# KiCad board mainboard.kicad_pcb (continued)
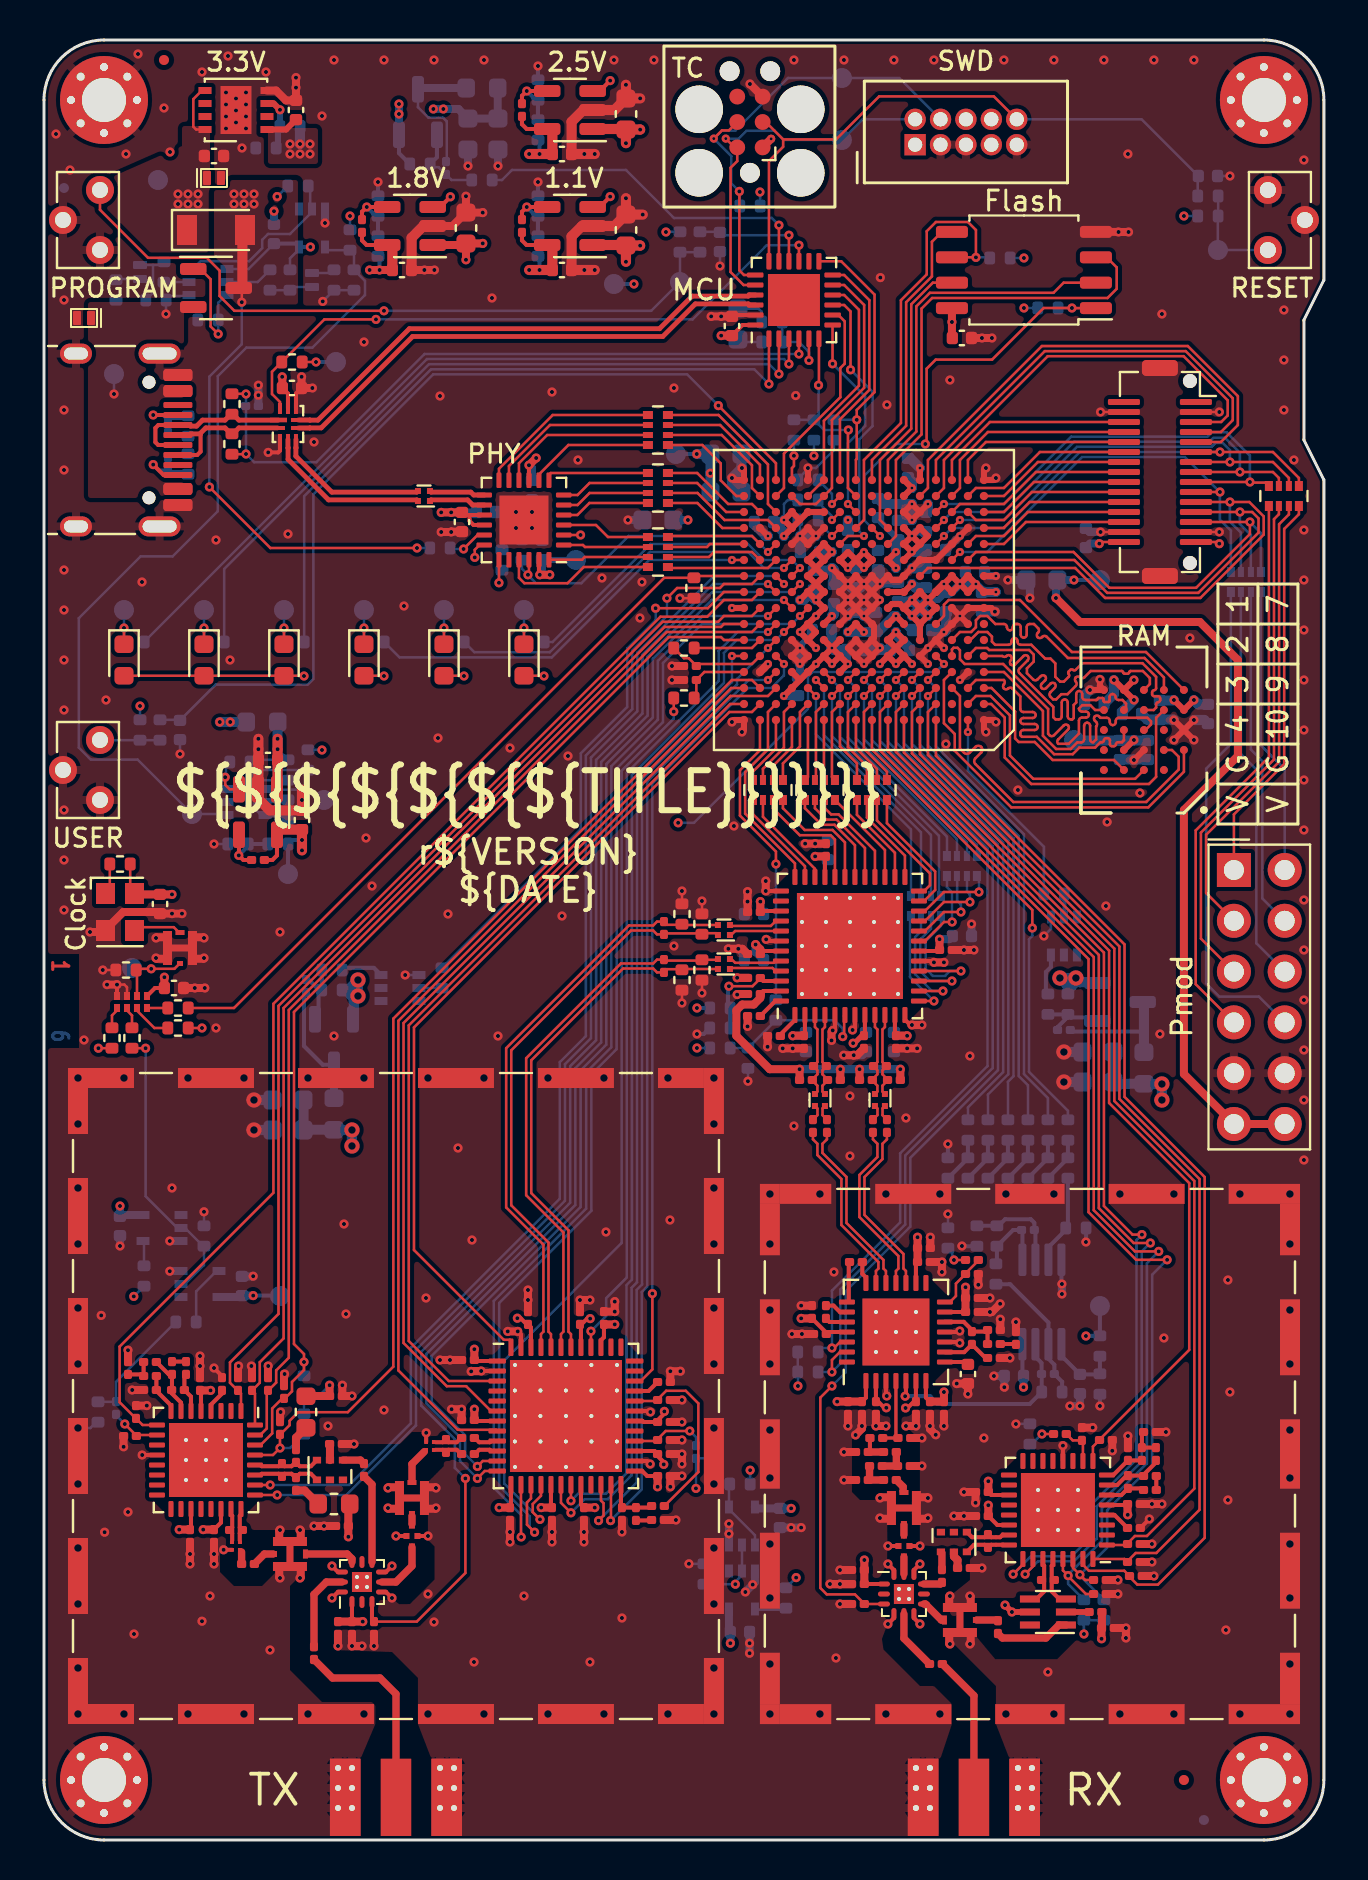
[diagram p0: board, top side]
## Footprints (pads in the part's own frame, mm; a bottom-side part is the same pattern mirrored in y, then rotated) (continued)
QFN-32-1EP_5x5mm_P0.5mm_EP3.7x3.7mm_ThermalVias
  custom 0.685x0.685 smd: (-1.425,1.425) (-1.425,-1.425) (1.425,1.425) (1.425,-1.425)
  custom 0.685x0.806 smd: (-1.425,0.5) (-1.425,-0.5) (1.425,0.5) (1.425,-0.5)
  custom 0.806x0.685 smd: (-0.5,1.425) (-0.5,-1.425) (0.5,1.425) (0.5,-1.425)
  rrect 0.806x0.806 smd: (-0.5,0.5) (-0.5,-0.5) (0.5,0.5) (0.5,-0.5)
  rrect 0.8x0.25 smd: 1(-2.45,1.75) 2(-2.45,1.25) 3(-2.45,0.75) 4(-2.45,0.25) 5(-2.45,-0.25) 6(-2.45,-0.75) 7(-2.45,-1.25) 8(-2.45,-1.75) 17(2.45,-1.75) 18(2.45,-1.25) 19(2.45,-0.75) 20(2.45,-0.25) 21(2.45,0.25) 22(2.45,0.75) 23(2.45,1.25) 24(2.45,1.75)
  rrect 0.25x0.8 smd: 9(-1.75,-2.45) 10(-1.25,-2.45) 11(-0.75,-2.45) 12(-0.25,-2.45) 13(0.25,-2.45) 14(0.75,-2.45) 15(1.25,-2.45) 16(1.75,-2.45) 25(1.75,2.45) 26(1.25,2.45) 27(0.75,2.45) 28(0.25,2.45) 29(-0.25,2.45) 30(-0.75,2.45) 31(-1.25,2.45) 32(-1.75,2.45)
  round 0.5 hole 0.2: 33(-1,1) 33(-1,0) 33(-1,-1) 33(0,1) 33(0,0) 33(0,-1) 33(1,1) 33(1,0) 33(1,-1)
  rect 2.5x2.5 smd far side: 33(0,0)
  rect 3.7x3.7 smd: 33(0,0)
QFN-48-1EP_7x7mm_P0.5mm_EP5.3x5.3mm_ThermalVias
  rrect 1.026x1.026 smd: (-1.8,1.8) (-1.8,0.6) (-1.8,-0.6) (-1.8,-1.8) (-0.6,1.8) (-0.6,0.6) (-0.6,-0.6) (-0.6,-1.8) (0.6,1.8) (0.6,0.6) (0.6,-0.6) (0.6,-1.8) (1.8,1.8) (1.8,0.6) (1.8,-0.6) (1.8,-1.8)
  rrect 0.8x0.25 smd: 1(-3.45,2.75) 2(-3.45,2.25) 3(-3.45,1.75) 4(-3.45,1.25) 5(-3.45,0.75) 6(-3.45,0.25) 7(-3.45,-0.25) 8(-3.45,-0.75) 9(-3.45,-1.25) 10(-3.45,-1.75) 11(-3.45,-2.25) 12(-3.45,-2.75) 25(3.45,-2.75) 26(3.45,-2.25) 27(3.45,-1.75) 28(3.45,-1.25) 29(3.45,-0.75) 30(3.45,-0.25) 31(3.45,0.25) 32(3.45,0.75) 33(3.45,1.25) 34(3.45,1.75) 35(3.45,2.25) 36(3.45,2.75)
  rrect 0.25x0.8 smd: 13(-2.75,-3.45) 14(-2.25,-3.45) 15(-1.75,-3.45) 16(-1.25,-3.45) 17(-0.75,-3.45) 18(-0.25,-3.45) 19(0.25,-3.45) 20(0.75,-3.45) 21(1.25,-3.45) 22(1.75,-3.45) 23(2.25,-3.45) 24(2.75,-3.45) 37(2.75,3.45) 38(2.25,3.45) 39(1.75,3.45) 40(1.25,3.45) 41(0.75,3.45) 42(0.25,3.45) 43(-0.25,3.45) 44(-0.75,3.45) 45(-1.25,3.45) 46(-1.75,3.45) 47(-2.25,3.45) 48(-2.75,3.45)
  round 0.5 hole 0.2: 49(-2.4,2.4) 49(-2.4,1.2) 49(-2.4,0) 49(-2.4,-1.2) 49(-2.4,-2.4) 49(-1.2,2.4) 49(-1.2,1.2) 49(-1.2,0) 49(-1.2,-1.2) 49(-1.2,-2.4) 49(0,2.4) 49(0,1.2) 49(0,0) 49(0,-1.2) 49(0,-2.4) 49(1.2,2.4) 49(1.2,1.2) 49(1.2,0) 49(1.2,-1.2) 49(1.2,-2.4) 49(2.4,2.4) 49(2.4,1.2) 49(2.4,0) 49(2.4,-1.2) 49(2.4,-2.4)
  rect 5.3x5.3 smd: 49(0,0)
  rect 5.3x5.3 smd far side: 49(0,0)
QFN-48-1EP_7x7mm_P0.5mm_EP5.6x5.6mm_ThermalVias
  rrect 1.084x1.084 smd: (-1.913,1.913) (-1.913,0.637) (-1.913,-0.637) (-1.913,-1.913) (-0.637,1.913) (-0.637,0.637) (-0.637,-0.637) (-0.637,-1.913) (0.637,1.913) (0.637,0.637) (0.637,-0.637) (0.637,-1.913) (1.913,1.913) (1.913,0.637) (1.913,-0.637) (1.913,-1.913)
  rrect 0.875x0.25 smd: 1(-3.438,2.75) 2(-3.438,2.25) 3(-3.438,1.75) 4(-3.438,1.25) 5(-3.438,0.75) 6(-3.438,0.25) 7(-3.438,-0.25) 8(-3.438,-0.75) 9(-3.438,-1.25) 10(-3.438,-1.75) 11(-3.438,-2.25) 12(-3.438,-2.75) 25(3.438,-2.75) 26(3.438,-2.25) 27(3.438,-1.75) 28(3.438,-1.25) 29(3.438,-0.75) 30(3.438,-0.25) 31(3.438,0.25) 32(3.438,0.75) 33(3.438,1.25) 34(3.438,1.75) 35(3.438,2.25) 36(3.438,2.75)
  rrect 0.25x0.875 smd: 13(-2.75,-3.438) 14(-2.25,-3.438) 15(-1.75,-3.438) 16(-1.25,-3.438) 17(-0.75,-3.438) 18(-0.25,-3.438) 19(0.25,-3.438) 20(0.75,-3.438) 21(1.25,-3.438) 22(1.75,-3.438) 23(2.25,-3.438) 24(2.75,-3.438) 37(2.75,3.438) 38(2.25,3.438) 39(1.75,3.438) 40(1.25,3.438) 41(0.75,3.438) 42(0.25,3.438) 43(-0.25,3.438) 44(-0.75,3.438) 45(-1.25,3.438) 46(-1.75,3.438) 47(-2.25,3.438) 48(-2.75,3.438)
  round 0.5 hole 0.2: 49(-2.55,2.55) 49(-2.55,1.275) 49(-2.55,0) 49(-2.55,-1.275) 49(-2.55,-2.55) 49(-1.275,2.55) 49(-1.275,1.275) 49(-1.275,0) 49(-1.275,-1.275) 49(-1.275,-2.55) 49(0,2.55) 49(0,1.275) 49(0,0) 49(0,-1.275) 49(0,-2.55) 49(1.275,2.55) 49(1.275,1.275) 49(1.275,0) 49(1.275,-1.275) 49(1.275,-2.55) 49(2.55,2.55) 49(2.55,1.275) 49(2.55,0) 49(2.55,-1.275) 49(2.55,-2.55)
  rect 5.6x5.6 smd: 49(0,0)
  rect 5.6x5.6 smd far side: 49(0,0)
R_0201_0603Metric
  rrect 0.318x0.36 smd: (-0.345,0) (0.345,0)
  rrect 0.46x0.4 smd: 1(-0.32,0) 2(0.32,0)
R_0402_1005Metric
  rrect 0.54x0.64 smd: 1(-0.51,0) 2(0.51,0)
R_Array_Convex_4x0402
  rect 0.5x0.4 smd: 1(-0.5,0.75) 4(-0.5,-0.75) 5(0.5,-0.75) 8(0.5,0.75)
  rect 0.5x0.3 smd: 2(-0.5,0.25) 3(-0.5,-0.25) 6(0.5,-0.25) 7(0.5,0.25)
SOIC-8_5.23x5.23mm_P1.27mm
  rrect 1.6x0.6 smd: 1(-3.6,1.905) 2(-3.6,0.635) 3(-3.6,-0.635) 4(-3.6,-1.905) 5(3.6,-1.905) 6(3.6,-0.635) 7(3.6,0.635) 8(3.6,1.905)
SOT-23-3
  rrect 1.325x0.6 smd: 1(-1.137,0.95) 2(-1.137,-0.95) 3(1.137,0)
SOT-23-5
  rrect 1.325x0.6 smd: 1(-1.137,0.95) 2(-1.137,0) 3(-1.137,-0.95) 4(1.137,-0.95) 5(1.137,0.95)
SOT-353_SC-70-5
  rect 0.65x0.4 smd: 1(-0.95,0.65) 2(-0.95,0) 3(-0.95,-0.65) 4(0.95,-0.65) 5(0.95,0.65)
SOT-363_SC-70-6
  rect 0.65x0.4 smd: 1(-0.95,0.65) 2(-0.95,0) 3(-0.95,-0.65) 4(0.95,-0.65) 5(0.95,0) 6(0.95,0.65)
SW_Tactile_SPST_Angled_TC-1109DE-B-F
  round 1.4 hole 0.8: 1(0,0) 2(-3,0) 3(-1.5,1.85)
SWD_CONNECTOR_LARGE_BOX
  rect 1.067x1.067 hole 0.711: 1(-2.54,-0.635)
  round 1.067 hole 0.711: 2(-2.54,0.635) 3(-1.27,-0.635) 4(-1.27,0.635) 5(0,-0.635) 6(0,0.635) 7(1.27,-0.635) 8(1.27,0.635) 9(2.54,-0.635) 10(2.54,0.635)
Tag-Connect_TC2030-IDC-FP_2x03_P1.27mm_Vertical
  round 2.375 hole 2.375 unplated: (-2.54,2.54) (-2.54,-2.54) (0.635,2.54) (0.635,-2.54)
  round 0.991 hole 0.991 unplated: (-2.54,0) (2.54,1.016) (2.54,-1.016)
  round 0.787 smd: 1(-1.27,-0.635) 2(-1.27,0.635) 3(0,-0.635) 4(0,0.635) 5(1.27,-0.635) 6(1.27,0.635)
TestPoint_Pad_D1.0mm
  round 1 smd: 1(0,0)
USB_C_Receptacle_HRO_TYPE-C-31-M-12
  round 0.65 hole 0.65 unplated: (-2.89,2.6) (2.89,2.6)
  rrect 0.6x1.45 smd: A1(-3.25,4.045) A4(-2.45,4.045) A9(2.45,4.045) A12(3.25,4.045) B1(3.25,4.045) B4(2.45,4.045) B9(-2.45,4.045) B12(-3.25,4.045)
  rrect 0.3x1.45 smd: A5(-1.25,4.045) A6(-0.25,4.045) A7(0.25,4.045) A8(1.25,4.045) B5(1.75,4.045) B6(0.75,4.045) B7(-0.75,4.045) B8(-1.75,4.045)
  oval 1x2.1 hole 0.6x1.7: S1(-4.32,3.13) S1(4.32,3.13)
  oval 1x1.6 hole 0.6x1.2: S1(-4.32,-1.05) S1(4.32,-1.05)
VQFN-24-1EP_4x4mm_P0.5mm_EP2.45x2.45mm
  rrect 0.66x0.66 smd: (-0.82,0.82) (-0.82,0) (-0.82,-0.82) (0,0.82) (0,0) (0,-0.82) (0.82,0.82) (0.82,0) (0.82,-0.82)
  rrect 0.775x0.25 smd: 1(-1.988,1.25) 2(-1.988,0.75) 3(-1.988,0.25) 4(-1.988,-0.25) 5(-1.988,-0.75) 6(-1.988,-1.25) 13(1.988,-1.25) 14(1.988,-0.75) 15(1.988,-0.25) 16(1.988,0.25) 17(1.988,0.75) 18(1.988,1.25)
  rrect 0.25x0.775 smd: 7(-1.25,-1.988) 8(-0.75,-1.988) 9(-0.25,-1.988) 10(0.25,-1.988) 11(0.75,-1.988) 12(1.25,-1.988) 19(1.25,1.988) 20(0.75,1.988) 21(0.25,1.988) 22(-0.25,1.988) 23(-0.75,1.988) 24(-1.25,1.988)
  rect 2.45x2.45 smd: 25(0,0)

## Nets
3V3A: C66.1 C67.1 C69.1 C70.1 C73.1 C74.1 C75.1 C76.1 C77.1 C78.1 C79.1 C80.1 C185.1 C192.1 Q3.2 Q5.2 R12.1 R54.1 R98.1 R109.1 TP21.1 U11.2 U11.8 U11.11 U11.33 U11.39 U11.43 U24.5
3V3FPGA: C19.1 C20.1 C21.1 C22.1 C23.1 C25.1 C26.1 C28.1 C29.1 C30.1 C33.1 C37.2 C38.1 C48.1 C50.1 C51.1 C52.1 C55.1 C56.1 C158.1 C159.1 C198.1 C199.1 D4.2 D5.2 D6.2 FB4.2 J4.6 J4.12 J6.15 J6.16 Q2.4 R18.1 R22.1 R37.1 R38.1 R40.2 R43.1 R92.1 R97.1 TP6.1 U1.E6 U1.E7 U1.F6 U1.F7 U1.F12 U1.G12 U1.H11 U1.J6 U1.J7 U1.J11 U1.J12 U1.K11 U1.K12 U1.L6 U1.L11 U1.L12 U1.M5 U1.M6 U1.M11 U1.N5 U1.N6 U1.N13 U1.P11 U1.P12 U1.P13 U1.R6 U1.T6 U5.1 U5.3 U6.1 U6.3 U7.1 U7.3 U9.2 U9.9 U9.15 U9.16 U9.18 U10.8 U19.5 U21.1 Y1.4
3V3RX: C93.2 C104.1 C112.1 C130.2 C156.1 C157.1 C160.1 C161.1 C166.1 C167.1 C168.1 C169.1 C170.1 C171.1 C172.1 C173.1 C174.1 C175.1 C186.2 C188.2 C190.2 C194.1 C195.1 FB2.2 L8.1 R60.2 R61.2 R77.2 R80.1 R81.1 TP13.1 U14.1 U14.2 U14.6 U14.7 U14.13 U14.16 U14.25 U15.8 U16.1 U18.5 U18.19 U18.22 U20.5 U23.5
3V3TX: C62.1 C63.1 C114.2 C115.1 C134.2 C135.2 C151.1 C152.1 C176.2 C177.2 C178.2 C179.2 C180.2 C181.2 C182.2 C183.2 C184.2 C187.2 C189.2 C191.2 C193.1 C196.1 FB1.2 L12.1 L14.1 R86.1 R87.1 TP22.1 U12.1 U12.7 U12.13 U12.17 U12.20 U12.25 U12.27 U12.30 U12.39 U12.41 U12.46 U13.5 U13.19 U13.22 U17.1 U22.5 U25.5
+1V1: C8.1 C9.1 C10.1 C11.1 C12.1 C13.1 C14.1 C15.1 C35.1 C59.1 R124.1 TP9.1 U1.G6 U1.G7 U1.G9 U1.L8 U1.L9 U1.L10 U5.5
+1V8: C24.1 C27.1 C31.1 C32.1 C40.1 C41.1 C42.1 C43.1 C44.1 C45.1 C46.1 C47.1 C58.1 C81.1 C82.1 C200.1 C201.1 R122.1 TP11.1 U1.C13 U1.D10 U1.D12 U1.D13 U1.E10 U1.E11 U1.F5 U1.F10 U1.F11 U1.G5 U1.H4 U1.H5 U1.H6 U1.H7 U1.J1 U1.J2 U1.J3 U1.J4 U1.J5 U1.K2 U1.K3 U7.5 U8.B4 U8.D1 U8.E4 U11.18
+2V5: C16.1 C17.1 C18.1 C39.1 C57.1 R120.1 TP10.1 U1.G11 U1.L7 U6.5
+3V3: C2.1 C3.1 C4.1 C34.1 D1.2 D2.2 D3.2 J2.1 J3.1 Q8.2 R1.1 R3.1 R5.1 R6.1 R16.1 R32.1 R114.1 TP8.1 U2.24 U3.9 U4.1
+5V: C36.1 D8.1 D9.1 FB3.2 TP5.1 U4.5 U4.8
/Analog Power Supplies/3V3A_EN: R126.2 U1.E4
/Analog Power Supplies/3V3RX_EN: R101.2 U1.A2
/Analog Power Supplies/3V3TX_EN: R99.2 U1.J16
/USB/VBUS_SENSE: R19.2 U9.17
/USB/VDD18: C49.1 TP12.1 U9.23
GND: C1.2 C2.2 C3.2 C4.2 C5.2 C6.2 C7.2 C8.2 C9.2 C10.2 C11.2 C12.2 C13.2 C14.2 C15.2 C16.2 C17.2 C18.2 C19.2 C20.2 C21.2 C22.2 C23.2 C24.2 C25.2 C26.2 C27.2 C28.2 C29.2 C30.2 C31.2 C32.2 C33.2 C34.2 C35.2 C36.2 C37.1 C38.2 C39.2 C40.2 C41.2 C42.2 C43.2 C44.2 C45.2 C46.2 C47.2 C48.2 C49.2 C50.2 C51.2 C52.2 C53.2 C54.2 C55.2 C56.2 C62.2 C63.2 C66.2 C67.2 C68.1 C69.2 C70.2 C71.2 C72.2 C73.2 C74.2 C75.2 C76.2 C77.2 C78.2 C79.2 C80.2 C81.2 C82.2 C83.2 C87.2 C88.1 C89.1 C90.1 C93.1 C95.2 C96.2 C97.1 C98.1 C99.1 C104.2 C106.2 C112.2 C113.1 C114.1 C115.2 C116.2 C117.2 C118.2 C119.2 C120.2 C121.2 C122.2 C123.2 C125.2 C128.1 C130.1 C133.1 C134.1 C135.1 C136.2 C137.2 C138.2 C139.2 C140.2 C141.2 C142.2 C143.2 C145.2 C149.1 C151.2 C152.2 C156.2 C157.2 C158.2 C159.2 C160.2 C161.2 C162.2 C163.2 C164.2 C165.2 C166.2 C167.2 C168.2 C169.2 C170.2 C171.2 C172.2 C173.2 C174.2 C175.2 C176.1 C177.1 C178.1 C179.1 C180.1 C181.1 C182.1 C183.1 C184.1 C186.1 C187.1 C188.1 C189.1 C190.1 C191.1 C192.2 C193.2 C194.2 C195.2 C196.2 C198.2 C199.2 C200.2 C201.2 D7.2 D9.2 FL2.2 FL2.4 FL3.2 FL3.4 H1.1 H2.1 H3.1 H4.1 J1.A1 J1.A12 J1.B1 J1.B12 J1.S1 J2.3 J2.5 J2.9 J3.5 J4.5 J4.11 J5.3 J6.2 J6.14 J6.17 J6.29 J6.MP J7.2 J8.2 J9.3 J10.3 J11.3 J12.3 J13.1 J14.1 L2.2 L3.2 L4.2 L5.2 Q4.1 Q6.4 Q7.1 R2.2 R9.1 R10.1 R14.2 R15.2 R17.2 R20.1 R21.2 R31.2 R39.2 R41.2 R42.2 R47.2 R50.2 R51.2 R52.2 R53.2 R55.2 R73.2 R74.1 R78.2 R82.2 R88.2 R93.2 R95.2 R96.1 R115.2 R117.2 R121.2 R123.2 R125.2 R127.2 R130.2 R131.2 R132.2 R133.2 R134.2 R135.2 SW1.2 SW1.3 SW2.2 SW2.3 SW3.2 SW3.3 T2.5 T3.1 T4.1 TP7.1 U1.A1 U1.A16 U1.D2 U1.D15 U1.E5 U1.E8 U1.E9 U1.E12 U1.E13 U1.F4 U1.F8 U1.F9 U1.F13 U1.G2 U1.G3 U1.G8 U1.G10 U1.H1 U1.H2 U1.H3 U1.H8 U1.H9 U1.H10 U1.H16 U1.J8 U1.J9 U1.J10 U1.K1 U1.K6 U1.K7 U1.K8 U1.K9 U1.K10 U1.L4 U1.L5 U1.M3 U1.M12 U1.M13 U1.N2 U1.N11 U1.N12 U1.N15 U1.P5 U1.P6 U1.T1 U1.T5 U1.T12 U1.T16 U2.23 U3.3 U3.8 U4.4 U4.9 U5.2 U6.2 U7.2 U8.B3 U8.C1 U8.E5 U9.25 U10.4 U11.5 U11.7 U11.12 U11.17 U11.37 U11.42 U11.49 U12.2 U12.26 U12.31 U12.47 U12.49 U13.12 U13.33 U14.3 U14.10 U14.11 U14.29 U15.4 U16.4 U16.6 U16.10 U16.12 U16.13 U17.4 U17.6 U17.10 U17.12 U17.13 U18.12 U18.33 U19.3 U20.3 U21.3 U21.4 U22.3 U23.3 U24.2 U25.3 Y1.2
VBUS: D7.1 J1.A4 J1.A9 J1.B4 J1.B9 Q1.2 Q2.1 R11.1 TP4.1
VBUS_SAFE: D8.2 Q1.3 R19.1
/Analog Power Supplies/~{POWER_GOOD}: Q6.1 R96.2 R97.2 TP35.1 U19.4
/Clock and Miscellaneous/AFE_CLK: R30.1 R103.2
/Clock and Miscellaneous/FPGA_CLK: R45.2 R131.1 U1.K16
/Clock and Miscellaneous/RX_CLK: R104.2 R130.1 U20.2 U23.2
/Clock and Miscellaneous/RX_MIX_CLK: C124.2 R106.2 R133.1
/Clock and Miscellaneous/RX_RCVR_CLK: C94.2 R36.1 R132.1
/Clock and Miscellaneous/TX_CLK: R105.2 R127.1 U22.2 U25.2
/Clock and Miscellaneous/TX_MIX_CLK: C144.2 R35.2 R134.1
/Clock and Miscellaneous/TX_XCVR_CLK: C86.1 R34.2 R135.1
/Debugger/FPGA_ADV: U1.R14 U2.8
/Debugger/FPGA_CONFIG.DONE: U1.P9 U2.7
/Debugger/FPGA_CONFIG.~{INIT}: R42.1 U1.T9 U2.13
/Debugger/FPGA_CONFIG.~{PROGRAM}: R43.2 R44.1 U1.R9 U2.6
/Debugger/FPGA_JTAG.TCK: U1.T10 U2.12
/Debugger/FPGA_JTAG.TDI: U1.R11 U1.R13 U2.11
/Debugger/FPGA_JTAG.TDO: U1.M10 U2.9
/Debugger/FPGA_JTAG.TMS: U1.R12 U1.T11 U2.10
/Debugger/LED1: R24.2 U2.3
/Debugger/LED2: R25.2 U2.2
/Debugger/LED3: R26.2 U2.1
/Debugger/MCU_D+: U2.22 U3.6
/Debugger/MCU_D-: U2.21 U3.7
/Debugger/MCU_SWCLK: J2.4 J3.4 R5.2 TP2.1 U2.19
/Debugger/MCU_SWDIO: J2.2 J3.2 TP3.1 U2.20
/Debugger/USB_RESET_DETECT: C5.1 R7.2 R8.1 U2.4
/Debugger/USB_SWITCH: R6.2 U2.15 U3.10
/Debugger/VERSION: R1.2 R2.1 U2.5
/Debugger/~{3V3FPGA_EN}: R116.2 U2.17
/Debugger/~{BTN_PROGRAM}: C54.1 R33.1 U2.16
/Debugger/~{BTN_RESET}: C1.1 J2.10 J3.3 R4.2 U2.18
/Expansion Interfaces/MEZZANINE3: J6.3 U1.R4
/Expansion Interfaces/MEZZANINE4: J6.4 U1.T4
/Expansion Interfaces/MEZZANINE5: J6.5 U1.R5
/Expansion Interfaces/MEZZANINE6: J6.6 RN4.1 U1.M4
/Expansion Interfaces/MEZZANINE7: J6.7 RN4.2 U1.N3
/Expansion Interfaces/MEZZANINE8: J6.8 RN4.3 U1.N4
/Expansion Interfaces/MEZZANINE9: J6.9 RN4.4 U1.P4
/Expansion Interfaces/MEZZANINE10: J6.10 RN5.1 U1.L3
/Expansion Interfaces/MEZZANINE11: J6.11 RN5.2 U1.K5
/Expansion Interfaces/MEZZANINE12: J6.12 RN5.3 U1.L1
/Expansion Interfaces/MEZZANINE13: J6.13 RN5.4 U1.L2
/Expansion Interfaces/MEZZANINE18: J6.18 U1.M1
/Expansion Interfaces/MEZZANINE19: J6.19 U1.M2
/Expansion Interfaces/MEZZANINE20: J6.20 U1.N1
/Expansion Interfaces/MEZZANINE21: J6.21 U1.P2
/Expansion Interfaces/MEZZANINE22: J6.22 U1.P1
/Expansion Interfaces/MEZZANINE23: J6.23 U1.P3
/Expansion Interfaces/MEZZANINE24: J6.24 U1.R1
/Expansion Interfaces/MEZZANINE25: J6.25 U1.R2
/Expansion Interfaces/MEZZANINE26: J6.26 U1.T2
/Expansion Interfaces/MEZZANINE27: J6.27 U1.R3
/Expansion Interfaces/MEZZANINE28: J6.28 U1.T3
/Expansion Interfaces/PMOD1: J4.1 RN4.8
/Expansion Interfaces/PMOD2: J4.2 RN4.7
/Expansion Interfaces/PMOD3: J4.3 RN4.6
/Expansion Interfaces/PMOD4: J4.4 RN4.5
/Expansion Interfaces/PMOD7: J4.7 RN5.5
/Expansion Interfaces/PMOD8: J4.8 RN5.6
/Expansion Interfaces/PMOD9: J4.9 RN5.7
/Expansion Interfaces/PMOD10: J4.10 RN5.8
/FPGA Bank 8 and Configuration Flash/D0: U1.T8 U10.5
/FPGA Bank 8 and Configuration Flash/D1: U1.T7 U10.2
/FPGA Bank 8 and Configuration Flash/D2: U1.M7 U10.3
/FPGA Bank 8 and Configuration Flash/D3: U1.N7 U10.7
/FPGA Bank 8 and Configuration Flash/FLASH_CLK: R37.2 U1.N9 U10.6
/FPGA Bank 8 and Configuration Flash/FPGA_CFG0: R39.1 U1.N10
/FPGA Bank 8 and Configuration Flash/FPGA_CFG1: R40.1 U1.P10
/FPGA Bank 8 and Configuration Flash/FPGA_CFG2: R41.1 U1.R10
/FPGA Bank 8 and Configuration Flash/~{CS_DI}: R38.2 U1.N8 U10.1
/FPGA Bank 8 and Configuration Flash/~{FPGA_SELF_PROGRAM}: R44.2 U1.T13
/FPGA Banks 0 and 1/AFE_ALT_CLK: R119.2 U1.A15
/FPGA Banks 0 and 1/AFE_SPI.PICO: RN10.3 U1.B13
/FPGA Banks 0 and 1/AFE_SPI.SCK: RN10.4 U1.A14
/FPGA Banks 0 and 1/AFE_SPI.~{CS}: U1.B14 U11.36
/FPGA Banks 0 and 1/DA0: RN6.1 U1.C12
/FPGA Banks 0 and 1/DA1: RN6.2 U1.C11
/FPGA Banks 0 and 1/DA2: RN6.3 U1.C10
/FPGA Banks 0 and 1/DA3: RN6.4 U1.D11
/FPGA Banks 0 and 1/DA4: RN7.1 U1.C9
/FPGA Banks 0 and 1/DA5: RN7.2 U1.D9
/FPGA Banks 0 and 1/DA6: RN7.3 U1.C8
/FPGA Banks 0 and 1/DA7: RN7.4 U1.D8
/FPGA Banks 0 and 1/DD0: RN8.1 U1.B8
/FPGA Banks 0 and 1/DD1: RN8.2 U1.A9
/FPGA Banks 0 and 1/DD2: RN8.3 U1.B9
/FPGA Banks 0 and 1/DD3: RN8.4 U1.A10
/FPGA Banks 0 and 1/DD4: RN9.1 U1.B10
/FPGA Banks 0 and 1/DD5: RN9.2 U1.A11
/FPGA Banks 0 and 1/DD6: RN9.3 U1.B11
/FPGA Banks 0 and 1/DD7: RN9.4 U1.A12
/FPGA Banks 0 and 1/DD8: RN10.1 U1.B12
/FPGA Banks 0 and 1/DD9: RN10.2 U1.A13
/FPGA Banks 0 and 1/RX_MIX_CTRL.ENBL: C121.1 U1.A5 U18.1
/FPGA Banks 0 and 1/RX_MIX_CTRL.FM: U1.A6 U18.25
/FPGA Banks 0 and 1/RX_MIX_CTRL.LD: U1.B6 U18.26
/FPGA Banks 0 and 1/RX_MIX_CTRL.MODE: C120.1 U1.B5 U18.9
/FPGA Banks 0 and 1/RX_MIX_CTRL.SCLK: C117.1 U1.A4 U18.31
/FPGA Banks 0 and 1/RX_MIX_CTRL.SDATA: C116.1 U1.B4 U18.32
/FPGA Banks 0 and 1/RX_MIX_CTRL.~{EN}: C118.1 R80.2 U1.B7 U18.30
/FPGA Banks 0 and 1/RX_MIX_CTRL.~{RESET}: C119.1 R81.2 U1.A7 U18.29
/FPGA Banks 0 and 1/RX_RCVR.GAIN0: R46.1 U1.D6
/FPGA Banks 0 and 1/RX_RCVR.GAIN1: R49.1 U1.C5
/FPGA Banks 0 and 1/RX_RCVR.GAIN2: R65.1 U1.D5
/FPGA Banks 0 and 1/RX_RCVR.GAIN3: R67.1 U1.C4
/FPGA Banks 0 and 1/RX_RCVR.GAIN4: R69.1 U1.D4
/FPGA Banks 0 and 1/RX_RCVR.GAIN5: R71.1 U1.A8
/FPGA Banks 0 and 1/RX_RCVR.SCL: R61.1 U1.D7 U14.27
/FPGA Banks 0 and 1/RX_RCVR.SDA: R60.1 U1.C7 U14.26
/FPGA Banks 0 and 1/~{RX_MIX_BYPASS}: C113.2 U1.C6 U16.3
/FPGA Banks 2 and 3/ADC_IN+: C164.1 R110.2 U1.D16
/FPGA Banks 2 and 3/ADC_IN-: C163.1 R111.2 U1.E15
/FPGA Banks 2 and 3/ADC_PWM_OUT: R111.1 U1.F15
/FPGA Banks 2 and 3/LED4: R27.2 U1.L16
/FPGA Banks 2 and 3/LED5: R28.2 U1.L13
/FPGA Banks 2 and 3/LED6: R29.2 U1.K13
/FPGA Banks 2 and 3/PHY.CLK: RN3.1 U1.L14
/FPGA Banks 2 and 3/PHY.DATA0: RN1.1 U1.N16
/FPGA Banks 2 and 3/PHY.DATA1: RN1.2 U1.N14
/FPGA Banks 2 and 3/PHY.DATA2: RN1.3 U1.P16
/FPGA Banks 2 and 3/PHY.DATA3: RN1.4 U1.P15
/FPGA Banks 2 and 3/PHY.DATA4: RN2.1 U1.R16
/FPGA Banks 2 and 3/PHY.DATA5: RN2.2 U1.R15
/FPGA Banks 2 and 3/PHY.DATA6: RN2.3 U1.T15
/FPGA Banks 2 and 3/PHY.DATA7: RN2.4 U1.P14
/FPGA Banks 2 and 3/PHY.DIR: RN3.3 U1.M16
/FPGA Banks 2 and 3/PHY.NXT: RN3.4 U1.M15
/FPGA Banks 2 and 3/PHY.STP: RN3.2 U1.L15
/FPGA Banks 2 and 3/PHY.~{RESET}: R21.1 U1.M14 U9.22
/FPGA Banks 2 and 3/TX_MIX_CTRL.ENBL: C141.1 U1.H15 U13.1
/FPGA Banks 2 and 3/TX_MIX_CTRL.FM: U1.K14 U13.25
/FPGA Banks 2 and 3/TX_MIX_CTRL.LD: U1.K15 U13.26
/FPGA Banks 2 and 3/TX_MIX_CTRL.MODE: C140.1 U1.J15 U13.9
/FPGA Banks 2 and 3/TX_MIX_CTRL.SCLK: C137.1 U1.G15 U13.31
/FPGA Banks 2 and 3/TX_MIX_CTRL.SDATA: C136.1 U1.G16 U13.32
/FPGA Banks 2 and 3/TX_MIX_CTRL.~{EN}: C138.1 R86.2 U1.F16 U13.30
/FPGA Banks 2 and 3/TX_MIX_CTRL.~{RESET}: C139.1 R87.2 U1.C15 U13.29
/FPGA Banks 2 and 3/TX_XCVR.B1: U1.D14 U12.23
/FPGA Banks 2 and 3/TX_XCVR.B2: U1.H13 U12.11
/FPGA Banks 2 and 3/TX_XCVR.B3: U1.C16 U12.8
/FPGA Banks 2 and 3/TX_XCVR.B4: U1.E14 U12.34
/FPGA Banks 2 and 3/TX_XCVR.B5: U1.H14 U12.14
/FPGA Banks 2 and 3/TX_XCVR.B6: U1.B16 U12.3
/FPGA Banks 2 and 3/TX_XCVR.B7: U1.C14 U12.6
/FPGA Banks 2 and 3/TX_XCVR.DIN: U1.G13 U12.19
/FPGA Banks 2 and 3/TX_XCVR.LD: U1.F14 U12.22
/FPGA Banks 2 and 3/TX_XCVR.RSSI: R110.1 U12.16
/FPGA Banks 2 and 3/TX_XCVR.RXHP: U1.G14 U12.40
/FPGA Banks 2 and 3/TX_XCVR.RXTX: U1.B15 U12.48
/FPGA Banks 2 and 3/TX_XCVR.SCLK: U1.E16 U12.18
/FPGA Banks 2 and 3/TX_XCVR.~{CS}: U1.H12 U12.15
/FPGA Banks 2 and 3/TX_XCVR.~{SHDN}: U1.J13 U12.12
/FPGA Banks 2 and 3/~{BTN_USER}: C53.1 R23.1 U1.T14
/FPGA Banks 2 and 3/~{TX_MIX_BYPASS}: C149.2 U1.J14 U17.3
/FPGA Banks 6 and 7/RAM.CK: U1.C3 U8.B2
/FPGA Banks 6 and 7/RAM.DQ0: U1.F2 U8.D3
/FPGA Banks 6 and 7/RAM.DQ1: U1.B1 U8.D2
/FPGA Banks 6 and 7/RAM.DQ2: U1.C2 U8.C4
/FPGA Banks 6 and 7/RAM.DQ3: U1.E1 U8.D4
/FPGA Banks 6 and 7/RAM.DQ4: U1.E3 U8.D5
/FPGA Banks 6 and 7/RAM.DQ5: U1.E2 U8.E3
/FPGA Banks 6 and 7/RAM.DQ6: U1.F3 U8.E2
/FPGA Banks 6 and 7/RAM.DQ7: U1.G4 U8.E1
/FPGA Banks 6 and 7/RAM.RWDS: U1.D1 U8.C3
/FPGA Banks 6 and 7/RAM.~{CK}: U1.D3 U8.B1
/FPGA Banks 6 and 7/RAM.~{CS}: U1.B2 U8.A3
/FPGA Banks 6 and 7/RAM.~{RESET}: U1.C1 U8.A4
/Radio/COM: C71.1 R56.2 R57.2 R112.2 R113.2 U11.47
/Radio/IA+: C64.1 FL5.3 R113.1 U11.3
/Radio/IA-: C64.2 FL5.1 R112.1 U11.4
/Radio/ID+: FL6.1 U11.45
/Radio/ID-: FL6.3 U11.44
/Radio/QA+: C65.2 FL4.1 R56.1 U11.10
/Radio/QA-: C65.1 FL4.3 R57.1 U11.9
/Radio/QD+: FL7.3 U11.40
/Radio/QD-: FL7.1 U11.41
/Radio/Receive Path/CPOUT: C97.2 R62.2 R63.2 U14.12
/Radio/Receive Path/REF_IN: C94.1 C95.1 U14.14
/Radio/Receive Path/RX Gain DAC/DAC_OUT: C107.1 R79.1 U14.5 U15.7
/Radio/Receive Path/RX Mixer/LFILT1: C126.2 R85.1 U18.6
/Radio/Receive Path/RX Mixer/LFILT2: C126.1 C127.1 R84.2 U18.7
/Radio/Receive Path/RX Mixer/LFILT3: C122.1 R83.1 U18.8
/Radio/Receive Path/RX Mixer/MIX_IN+: L6.2 T1.4 U18.23
/Radio/Receive Path/RX Mixer/MIX_IN-: L6.1 T1.3 U18.24
/Radio/Receive Path/RX Mixer/MIX_OUT+: L7.1 T2.3 U18.28
/Radio/Receive Path/RX Mixer/MIX_OUT-: L7.2 T2.4 U18.27
/Radio/Receive Path/RX Mixer/REF_IN: C123.1 C124.1 U18.10
/Radio/Receive Path/RX Mixer/REXT: R82.1 U18.4
/Radio/Receive Path/RX_MIX_IN: C129.1 U16.9
/Radio/Receive Path/RX_MIX_OUT: J5.1 U16.7
/Radio/Receive Path/RX_RCVR_IN: C108.1 L2.1 U14.4
/Radio/Receive Path/RX_RF: C154.1 U16.5
/Radio/Receive Path/RXBB.I+: C102.2 U14.19
/Radio/Receive Path/RXBB.I-: C103.2 U14.20
/Radio/Receive Path/RXBB.Q+: C100.2 U14.17
/Radio/Receive Path/RXBB.Q-: C101.2 U14.18
/Radio/Receive Path/VTUNE: C99.2 R63.1 U14.9
/Radio/REFN: C72.1 U11.48
/Radio/REFP: C68.2 U11.1
/Radio/Transmit Path/CPOUT: C88.2 R58.2 R59.2 U12.24
/Radio/Transmit Path/REF_IN: C86.2 C87.1 U12.28
/Radio/Transmit Path/TUNE: C90.2 R59.1 U12.32
/Radio/Transmit Path/TX Mixer/LFILT1: C146.2 R91.1 U13.6
/Radio/Transmit Path/TX Mixer/LFILT2: C146.1 C147.1 R90.2 U13.7
/Radio/Transmit Path/TX Mixer/LFILT3: C143.1 R89.1 U13.8
/Radio/Transmit Path/TX Mixer/MIX_IN+: L10.2 T4.4 U13.23
/Radio/Transmit Path/TX Mixer/MIX_IN-: L10.1 T4.3 U13.24
/Radio/Transmit Path/TX Mixer/MIX_OUT+: L9.1 L13.2 T5.3 U13.28
/Radio/Transmit Path/TX Mixer/MIX_OUT-: L9.2 L11.2 T5.4 U13.27
/Radio/Transmit Path/TX Mixer/REF_IN: C142.1 C144.1 U13.10
/Radio/Transmit Path/TX Mixer/REXT: R88.1 U13.4
/Radio/Transmit Path/TX_MIX_IN: J10.1 U17.9
/Radio/Transmit Path/TX_MIX_OUT: C132.1 U17.7
/Radio/Transmit Path/TX_RF: C153.1 U17.11
/Radio/Transmit Path/TXBB.I+: C60.2 FL7.4 R53.1 U12.45
/Radio/Transmit Path/TXBB.I-: C60.1 FL7.2 R52.1 U12.44
/Radio/Transmit Path/TXBB.Q+: C61.2 FL6.4 R51.1 U12.43
/Radio/Transmit Path/TXBB.Q-: C61.1 FL6.2 R50.1 U12.42
/Radio/Transmit Path/TXIF+: C85.1 U12.9
/Radio/Transmit Path/TXIF-: C84.1 U12.10
/Radio/Transmit Path/TXIF_BALUN+: C85.2 L1.2 T3.4
/Radio/Transmit Path/TXIF_BALUN-: C84.2 L1.1 T3.3
/USB/CC1: C6.1 J1.A5 R9.2
/USB/CC2: C7.1 J1.B5 R10.2
/USB/CLK: RN3.8 U9.21
/USB/D+: J1.A6 J1.B6 R8.2 U3.2
/USB/D-: J1.A7 J1.B7 R7.1 U3.1
/USB/DATA0: RN1.8 U9.4
/USB/DATA1: RN1.7 U9.5
/USB/DATA2: RN1.6 U9.6
/USB/DATA3: RN1.5 U9.7
/USB/DATA4: RN2.8 U9.8
/USB/DATA5: RN2.7 U9.10
/USB/DATA6: RN2.6 U9.11
/USB/DATA7: RN2.5 U9.12
/USB/DIR: RN3.6 U9.1
/USB/FPGA_D+: FL1.2 U3.4
/USB/FPGA_D-: FL1.4 U3.5
/USB/NXT: RN3.5 U9.3
/USB/PHY_D+: FL1.1 U9.14
/USB/PHY_D-: FL1.3 U9.13
/USB/RBIAS: R20.2 U9.19
/USB/STP: RN3.7 U9.24
Net-(C89-Pad2): C89.2 R58.1
Net-(C98-Pad2): C98.2 R62.1
Net-(C100-Pad1): C100.1 FL4.2
Net-(C101-Pad1): C101.1 FL4.4
Net-(C102-Pad1): C102.1 FL5.2
Net-(C103-Pad1): C103.1 FL5.4
Net-(C105-Pad1): C105.1 R75.1 R76.2 U15.1
Net-(C108-Pad2): C108.2 C109.1 L3.1
Net-(C109-Pad2): C109.2 C110.1 L4.1
Net-(C110-Pad2): C110.2 C111.1 L5.1
Net-(C125-Pad1): C125.1 R83.2 R84.1
Net-(C127-Pad2): C127.2 R85.2
Net-(C129-Pad2): C129.2 T1.1
Net-(C131-Pad2): C131.2 T2.1
Net-(C132-Pad2): C132.2 T5.1
Net-(C145-Pad1): C145.1 R89.2 R90.1
Net-(C147-Pad2): C147.2 R91.2
Net-(C148-Pad2): C148.2 T4.2
Net-(D1-K): D1.1 R24.1 TP14.1
Net-(D2-K): D2.1 R25.1 TP15.1
Net-(D3-K): D3.1 R26.1 TP16.1
Net-(D4-K): D4.1 R27.1 TP17.1
Net-(D5-K): D5.1 R28.1 TP18.1
Net-(D6-K): D6.1 R29.1 TP19.1
Net-(D10-A): D10.2 R15.1
Net-(D10-K): D10.1 R11.2 R13.2
Net-(D11-A): D11.2 R93.1
Net-(D11-K): D11.1 R92.2 R94.2
Net-(FL2-IN): FL2.1 J11.2
Net-(FL2-OUT): FL2.3 U17.5
Net-(FL3-IN): FL3.1 U16.11
Net-(FL3-OUT): FL3.3 J9.2
Net-(J5-R): C131.1 J5.2
Net-(J7-In): C154.2 J7.1
Net-(J8-In): C153.2 J8.1
Net-(J9-C): C111.2 J9.1
Net-(J10-R): C148.1 J10.2
Net-(J11-C): J11.1 T3.2
Net-(J12-C): J12.1 Y1.3
Net-(J12-R): J12.2 R115.1 TP34.1 U21.2
Net-(L8-Pad2): L8.2 T2.2
Net-(L11-Pad1): L11.1 L12.2
Net-(L13-Pad1): L13.1 L14.2
Net-(Q1-G): Q1.1 Q2.6 R14.1
Net-(Q2A-B1): Q2.2 R13.1
Net-(Q2B-B2): Q2.5 R94.1
Net-(Q2B-C2): Q2.3 R95.1 U19.2
Net-(Q3-D): C150.2 FB1.1 Q3.3
Net-(Q3-G): C150.1 Q3.1 R98.2 R100.1
Net-(Q4A-B1): Q4.2 R99.1
Net-(Q4A-C1): Q4.6 R100.2
Net-(Q5-D): C155.2 FB2.1 Q5.3
Net-(Q5-G): C155.1 Q5.1 R12.2 R102.1
Net-(Q6A-B1): Q6.2 R126.1
Net-(Q6A-C1): Q6.6 R107.2 R108.2
Net-(Q6B-B2): Q6.5 R107.1
Net-(Q6B-C2): Q6.3 R118.2 U24.3
Net-(Q7A-B1): Q7.2 R101.1
Net-(Q7A-C1): Q7.6 R102.2
Net-(Q8-D): C197.2 FB4.1 Q8.3
Net-(Q8-G): C197.1 Q8.1 R114.2 R116.1
Net-(R3-Pad2): R3.2 R4.1 SW2.1 TP1.1
Net-(R22-Pad2): R22.2 R23.2 SW3.1
Net-(R32-Pad2): R32.2 R33.2 SW1.1 TP20.1
Net-(R34-Pad1): R34.1 U22.4
Net-(R35-Pad1): R35.1 U25.4
Net-(R46-Pad2): R46.2 R47.1 R48.1
Net-(R48-Pad2): R48.2 R49.2 R64.1
Net-(R64-Pad2): R64.2 R65.2 R66.1
Net-(R66-Pad2): R66.2 R67.2 R68.1
Net-(R68-Pad2): R68.2 R69.2 R70.1
Net-(R70-Pad2): R70.2 R71.2 R72.1
Net-(R106-Pad1): R106.1 U23.4
Net-(RN6-R1.2): RN6.8 U11.13
Net-(RN6-R2.2): RN6.7 U11.14
Net-(RN6-R3.2): RN6.6 U11.15
Net-(RN6-R4.2): RN6.5 U11.16
Net-(RN7-R1.2): RN7.8 U11.19
Net-(RN7-R2.2): RN7.7 U11.20
Net-(RN7-R3.2): RN7.6 U11.21
Net-(RN7-R4.2): RN7.5 U11.22
Net-(RN8-R1.2): RN8.8 U11.23
Net-(RN8-R2.2): RN8.7 U11.24
Net-(RN8-R3.2): RN8.6 U11.25
Net-(RN8-R4.2): RN8.5 U11.26
Net-(RN9-R1.2): RN9.8 U11.27
Net-(RN9-R2.2): RN9.7 U11.28
Net-(RN9-R3.2): RN9.6 U11.29
Net-(RN9-R4.2): RN9.5 U11.30
Net-(RN10-R1.2): RN10.8 U11.31
Net-(RN10-R2.2): RN10.7 U11.32
Net-(RN10-R3.2): RN10.6 U11.34
Net-(RN10-R4.2): RN10.5 U11.35
Net-(T1-GND): C128.2 T1.2
Net-(T5-GND): C133.2 T5.2
Net-(U4-ADJ/NC): R16.2 R17.1 U4.3
Net-(U5-ADJ): C59.2 R124.2 R125.1 U5.4
Net-(U6-ADJ): C57.2 R120.2 R121.1 U6.4
Net-(U7-ADJ): C58.2 R122.2 R123.1 U7.4
Net-(U11-CLK): R30.2 R31.1 R119.1 U11.6
Net-(U11-REFIN): C165.1 R54.2 R55.1 U11.46
Net-(U12-BYPASS): C83.1 U12.33
Net-(U14-IDC+): C92.2 U14.21
Net-(U14-IDC-): C92.1 U14.22
Net-(U14-QDC+): C91.2 U14.23
Net-(U14-QDC-): C91.1 U14.24
Net-(U14-VCOBYP): C96.1 U14.8
Net-(U15A-+): R72.2 R73.1 U15.3
Net-(U15A--): C105.2 R74.2 R75.2 U15.2
Net-(U15B-+): C106.1 R77.1 R78.1 U15.5
Net-(U15B--): C107.2 R76.1 R79.2 U15.6